# Altium PCB kunkun.PcbDoc (part 7 of 8) (continued)
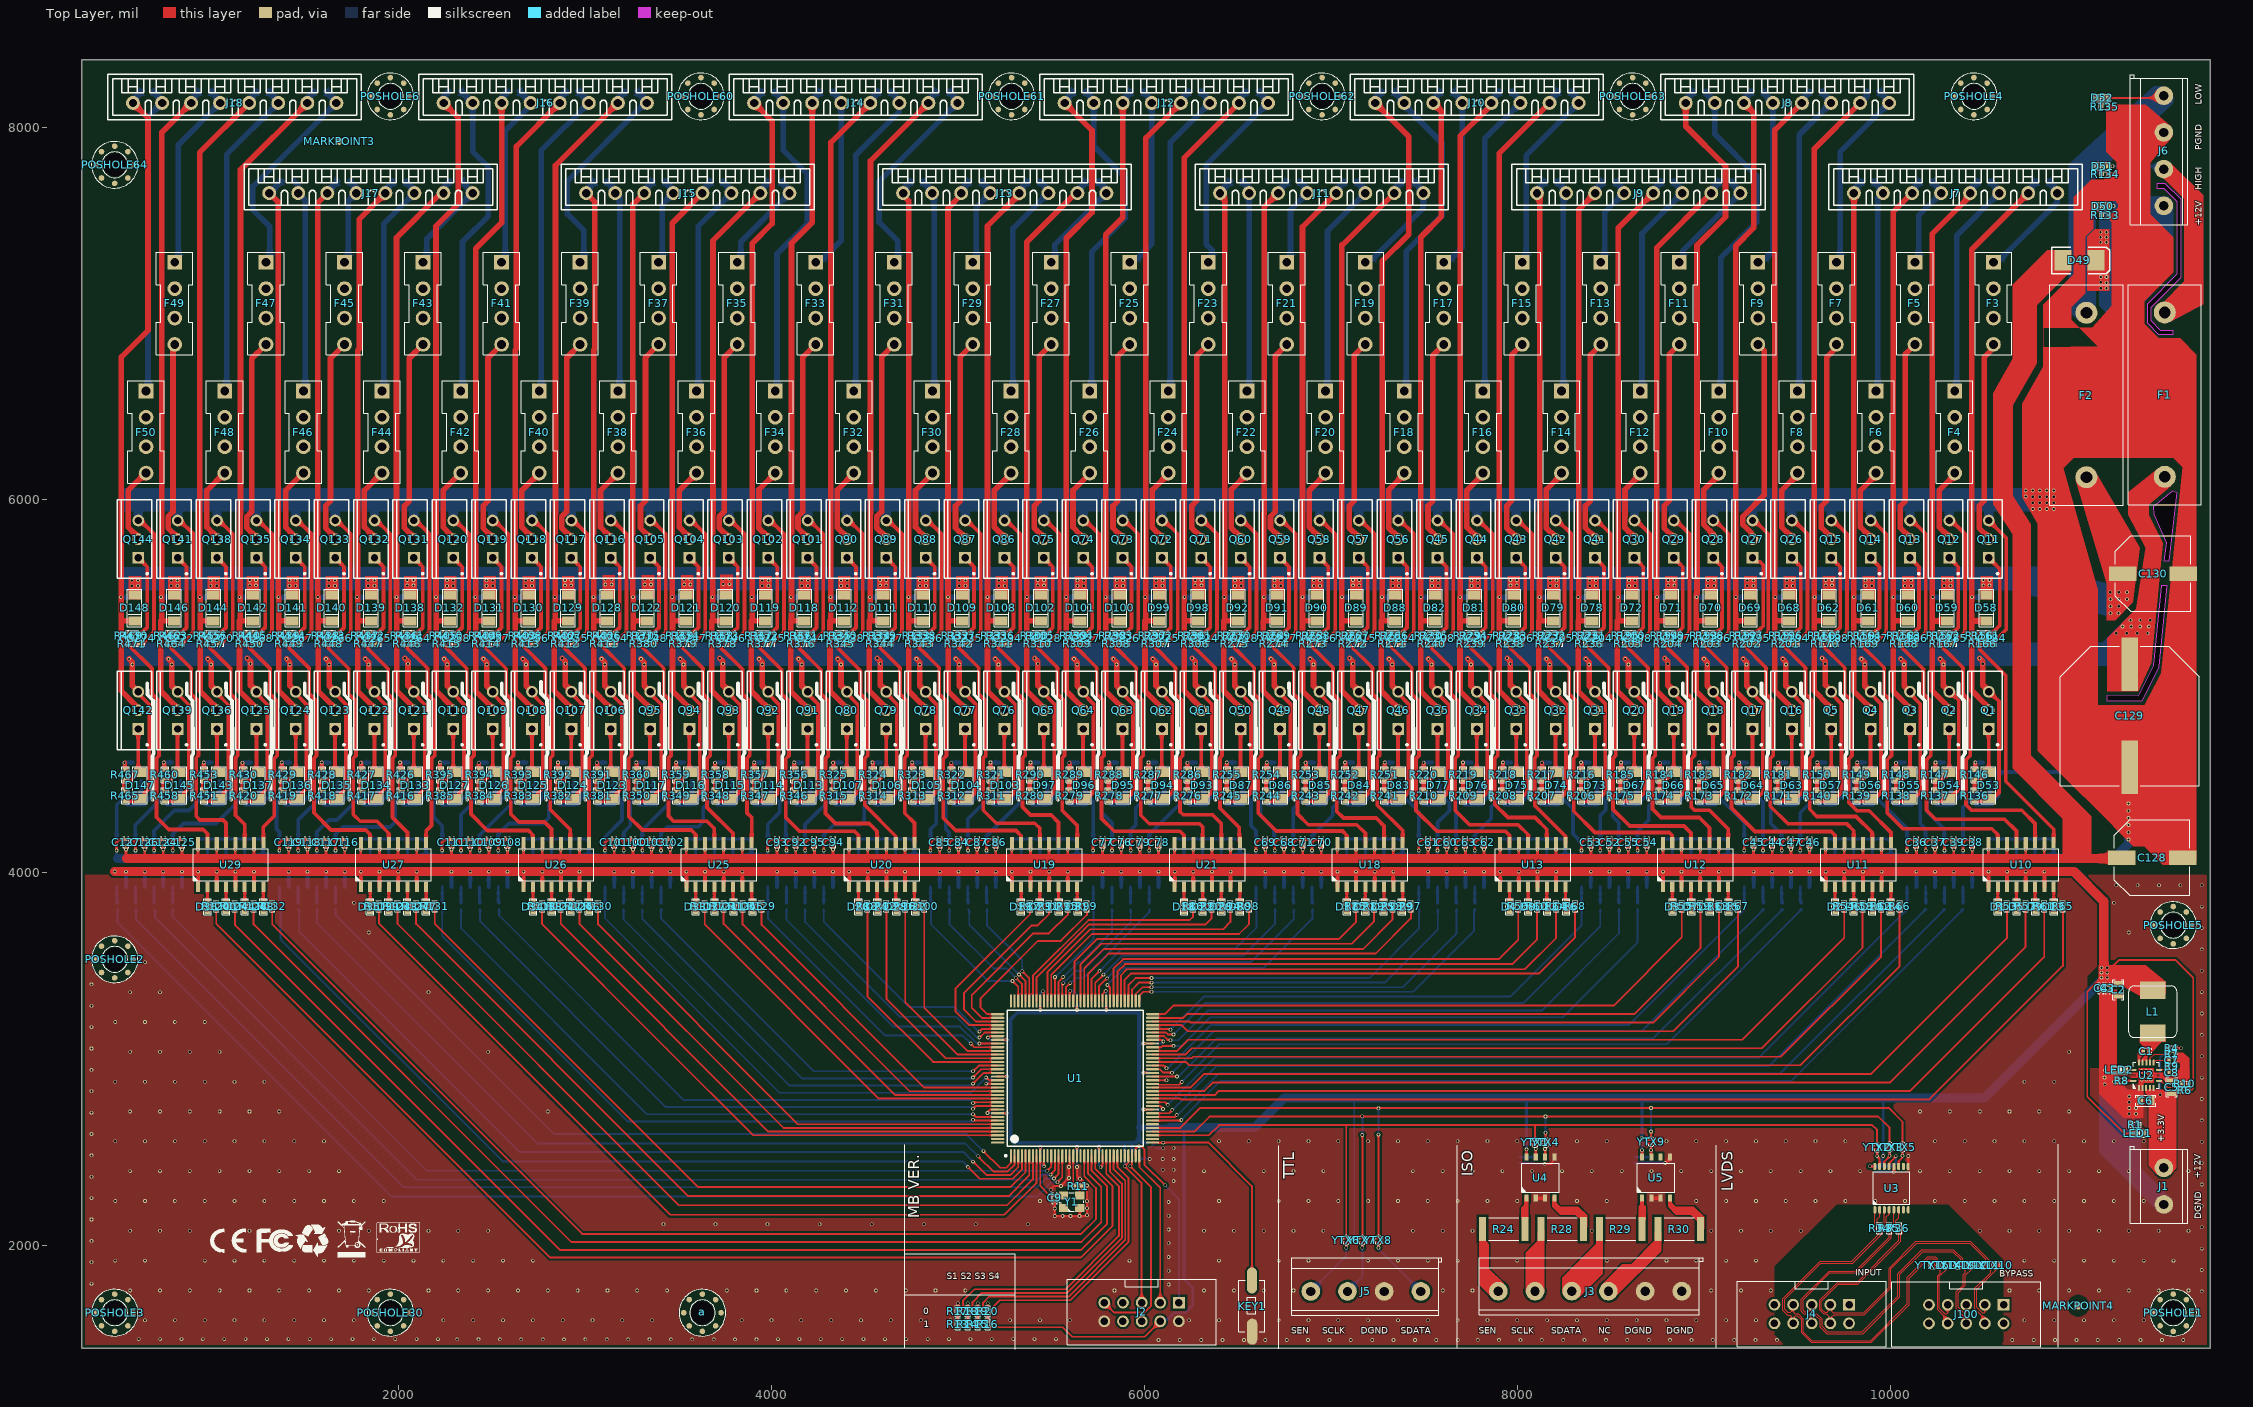
[diagram p0: Top Layer view]
## Nets (pads, with @x,y where several pads share a name; then routed paths per layer and width w, separated by ;. In a path a pad name is that pad's centre, name@x,y a point inside that pad or via, vN(x,y) a via of type N, cw(c..) or ccw(c..) an arc to the next point about the centre after c; other vN are vias at no path point) (continued)
  Bottom Layer w10: R141.2@10518.56,5250.64 R141.2@10525.7,5243.5
  other v1: 783.11,5117.76 994.28,5117.76 1416.62,5117.76 1627.79,5117.76 1838.96,5117.76 2261.3,5117.76 2472.47,5117.76 2683.64,5117.76 3105.98,5117.76 3317.15,5117.76 3528.32,5117.76 3950.66,5117.76 4161.83,5117.76 4373,5117.76 4795.34,5117.76 5006.51,5117.76 5217.68,5117.76 5640.02,5117.76 5851.19,5117.76 6062.36,5117.76 6484.7,5117.76 6695.87,5117.76 6907.04,5117.76 7329.38,5117.76 7540.55,5117.76 7751.72,5117.76 8174.06,5117.76 8385.23,5117.76 8596.4,5117.76 9018.74,5117.76 9229.91,5117.76 9441.08,5117.76 9863.42,5117.76 10074.59,5117.76 10285.76,5117.76 1205.45,5121.36 2050.13,5121.36 2894.81,5121.36 3739.49,5121.36 4584.17,5121.36 5428.85,5121.36 6273.53,5121.36 7118.21,5121.36 7962.89,5121.36 8807.57,5121.36 9652.25,5121.36 10496.94,5121.36 11212.51,5284.89 11268.7,5284.89 11324.88,5284.89 11381.07,5284.89 11246.47,5320.92 11293.54,5320.92 11340.62,5320.92 11387.69,5320.92 11288.71,5355.29 11342.14,5355.29 11395.56,5355.29
PLOW: C130.1 D58.2 D59.2 D60.2 D61.2 D62.2 D68.2 D69.2 D70.2 D71.2 D72.2 D78.2 D79.2 D80.2 D81.2 D82.2 D88.2 D89.2 D90.2 D91.2 D92.2 D98.2 D99.2 D100.2 D101.2 D102.2 D108.2 D109.2 D110.2 D111.2 D112.2 D118.2 D119.2 D120.2 D121.2 D122.2 D128.2 D129.2 D130.2 D131.2 D132.2 D138.2 D139.2 D140.2 D141.2 D142.2 D144.2 D146.2 D148.2 F2.2 | length 2.4
  Top Layer w10: D58.2@10515,5492.8 D58.2@10516.73,5491.07
  other v1: 11181.85,5392.36 11224.52,5392.36 11181.85,5429.96 11226.3,5429.96 11181.85,5467.57 11226.3,5467.57 11270.74,5467.85 11180.07,5505.18 11226.3,5505.18 11270.74,5505.18 569.13,5540.1 602.4,5540.1 780.46,5540.1 813.73,5540.1 991.79,5540.1 1025.06,5540.1 1414.45,5540.1 1447.72,5540.1 1625.78,5540.1 1659.05,5540.1 1837.12,5540.1 1870.38,5540.1 2259.78,5540.1 2293.05,5540.1 2471.11,5540.1 2504.38,5540.1 2682.44,5540.1 2715.71,5540.1 3950.43,5540.1 3983.69,5540.1 4161.76,5540.1 4195.03,5540.1 4373.09,5540.1 4406.36,5540.1 4795.75,5540.1 4829.02,5540.1 5007.08,5540.1 5040.35,5540.1 5218.41,5540.1 5251.68,5540.1 5641.07,5540.1 5674.34,5540.1 5852.4,5540.1 5885.67,5540.1 6063.74,5540.1 6097,5540.1 6486.4,5540.1 6519.67,5540.1 6697.73,5540.1 6731,5540.1 6909.06,5540.1 6942.33,5540.1 7331.72,5540.1 7364.99,5540.1 7543.05,5540.1 7576.32,5540.1 7754.38,5540.1 7787.65,5540.1 8177.05,5540.1 8210.31,5540.1 8388.38,5540.1 8421.65,5540.1 8599.71,5540.1 8632.98,5540.1 9022.37,5540.1 9055.64,5540.1 9233.7,5540.1 9266.97,5540.1 9445.03,5540.1 9478.3,5540.1 9867.69,5540.1 9900.96,5540.1 10079.02,5540.1 10112.29,5540.1 10290.36,5540.1 10323.62,5540.1 1201.39,5541.83 1234.66,5541.83 2046.71,5541.83 2079.98,5541.83 2892.04,5541.83 2925.31,5541.83 4582.69,5541.83 4615.96,5541.83 5428.01,5541.83 5461.28,5541.83 6273.33,5541.83 6306.6,5541.83 7118.66,5541.83 7151.93,5541.83 7963.98,5541.83 7997.25,5541.83 8809.31,5541.83 8842.58,5541.83 9654.63,5541.83 9687.9,5541.83 10499.95,5541.83 10533.22,5541.83 3109.13,5546.71 3142.4,5546.71 3320.46,5546.71 3353.73,5546.71 3531.79,5546.71 3565.06,5546.71 3741.39,5548.44 3774.66,5548.44 569.13,5568.5 602.4,5568.5 780.46,5568.5 813.73,5568.5 991.79,5568.5 1025.06,5568.5 1414.45,5568.5 1447.72,5568.5 1625.78,5568.5 1659.05,5568.5 1837.12,5568.5 1870.38,5568.5 2259.78,5568.5 2293.05,5568.5 2471.11,5568.5 2504.38,5568.5 2682.44,5568.5 2715.71,5568.5 3950.43,5568.5 3983.69,5568.5 4161.76,5568.5 4195.03,5568.5 4373.09,5568.5 4406.36,5568.5 4795.75,5568.5 4829.02,5568.5 5007.08,5568.5 5040.35,5568.5 5218.41,5568.5 5251.68,5568.5 5641.07,5568.5 5674.34,5568.5 5852.4,5568.5 5885.67,5568.5 6063.74,5568.5 6097,5568.5 6486.4,5568.5 6519.67,5568.5 6697.73,5568.5 6731,5568.5 6909.06,5568.5 6942.33,5568.5 7331.72,5568.5 7364.99,5568.5 7543.05,5568.5 7576.32,5568.5 7754.38,5568.5 7787.65,5568.5 8177.05,5568.5 8210.31,5568.5 8388.38,5568.5 8421.65,5568.5 8599.71,5568.5 8632.98,5568.5 9022.37,5568.5 9055.64,5568.5 9233.7,5568.5 9266.97,5568.5 9445.03,5568.5 9478.3,5568.5 9867.69,5568.5 9900.96,5568.5 10079.02,5568.5 10112.29,5568.5 10290.36,5568.5 10323.62,5568.5 1201.39,5570.23 1234.66,5570.23 2046.71,5570.23 2079.98,5570.23 2892.04,5570.23 2925.31,5570.23 4582.69,5570.23 4615.96,5570.23 5428.01,5570.23 5461.28,5570.23 6273.33,5570.23 6306.6,5570.23 7118.66,5570.23 7151.93,5570.23 7963.98,5570.23 7997.25,5570.23 8809.31,5570.23 8842.58,5570.23 9654.63,5570.23 9687.9,5570.23 10499.95,5570.23 10533.22,5570.23 3109.13,5575.11 3142.4,5575.11 3320.46,5575.11 3353.73,5575.11 3531.79,5575.11 3565.06,5575.11 3741.39,5576.85 3774.66,5576.85
RI1+: J4.7 R34.2 U3.2 YTX14.2 | length 2189.5
  Top Layer w5: U3.2@9943.27,2192.95 9943.27,2156.52 9930.61,2143.86 9930.61,2122.97 R34.2@9943.15,2110.43 9959.51,2094.07 9959.51,2066.97 9799.07,1906.53 9628.42,1906.53 9434.18,1712.29 9434.18,1659.8 9451.1,1642.88 9464.44,1642.88 9471.37,1649.81 9471.37,1675.71 J4.7@9479.47,1683.81 9479.47,1645.34 9489.23,1635.58 9505.78,1635.58 9535.18,1606.18 9535.18,1536.12 9579.73,1491.57 9895.2,1491.57 10091.86,1688.22 10091.86,1830.48 10201.29,1939.91 10229.18,1939.91 10243.07,1939.91 10252.51,1930.47 10252.51,1922.64 YTX14.2@10280.88,1894.27
RI1-: J4.8 R34.1 U3.1 YTX15.1 | length 2190.1
  Top Layer w5: U3.1@9917.68,2192.95 9917.68,2093.8 9932.54,2078.93 R34.1@9943.15,2078.93 9939.94,2075.72 9939.94,2061.54 9794.93,1916.53 9624.28,1916.53 9423.93,1716.17 9423.93,1653.37 9449.47,1627.84 9463.96,1627.84 9469.47,1622.33 9469.47,1593.81 J4.8@9479.47,1583.81 9485.5,1589.84 9485.5,1617.81 9492.99,1625.3 9501.92,1625.3 9525.18,1602.04 9525.18,1531.98 9575.59,1481.57 9899.34,1481.57 10101.86,1684.08 10101.86,1826.34 10205.43,1929.91 10238.93,1929.91 10242.17,1926.67 10242.17,1920.87 10238.07,1916.77 10227.72,1916.77 10213.25,1902.29 YTX15.1@10213.25,1894.27
RI2+: J4.6 R35.2 U3.3 YTX13.1 | length 2130.1
  Top Layer w5: J4.6@9579.47,1583.81 9572.08,1591.2 9572.08,1617.81 9554.29,1635.59 9536.79,1635.59 9522.77,1649.62 9522.77,1713.93 9672.64,1863.81 9813.17,1863.81 9995.21,2045.85 R35.2@9995.21,2078.93 9982.37,2091.78 9976.91,2097.24 9976.91,2103.85 9970.37,2110.39 9970.37,2110.6 9968.86,2112.1 U3.3@9968.86,2192.95 ; J4.6@9585.5,1589.84 9585.5,1617.81 9592.99,1625.3 9601.92,1625.3 9625.18,1602.04 9625.18,1563.2 9659.22,1529.16 9854.53,1529.16 10051.17,1725.8 10051.17,1845.91 10174.16,1968.89 10335.5,1968.89 10377.72,1926.67 10377.72,1920.87 10373.62,1916.77 10363.27,1916.77 10348.8,1902.29
RI2-: J4.5 R35.1 U3.4 YTX12.2 | length 2137.5
  Top Layer w5: J4.5@9579.47,1683.81 J4.5@9579.47,1665.55 ; U3.4@9994.45,2192.95 9994.45,2169.09 9980.37,2155.01 9980.37,2114.53 9984.47,2110.43 R35.1@9995.21,2110.43 10011.57,2094.07 10011.57,2066.97 10005.21,2060.61 10005.21,2041.71 9817.31,1853.81 9676.78,1853.81 9532.77,1709.79 9532.77,1653.76 9540.93,1645.59 9559.51,1645.59 J4.5@9579.47,1665.55 ; YTX12.2@10416.43,1894.27 10388.05,1922.64 10388.05,1930.47 10339.64,1978.89 10170.01,1978.89 10041.17,1850.05 10041.17,1729.95 9850.39,1539.16 9663.36,1539.16 9635.18,1567.35 9635.18,1606.18 9605.78,1635.58 9589.23,1635.58 9579.47,1645.34 J4.5@9579.47,1665.55
RI3+: J4.3 R36.2 U3.6 YTX10.2 | length 2069
  Top Layer w5: U3.6@10045.63,2192.95 10045.63,2149.71 10030.04,2134.12 10030.04,2116.3 10035.91,2110.43 R36.2@10047.27,2110.43 10066.26,2091.44 10066.26,2069.61 10057.27,2060.61 10057.27,2024.44 9825.11,1792.27 9720.94,1792.27 9631.69,1703.03 9631.69,1660.6 9647.94,1644.35 9661.66,1644.35 9668.37,1651.06 9668.37,1672.71 J4.3@9679.47,1683.81 9685.87,1677.4 9685.87,1649.81 9695.31,1640.38 9857.86,1640.38 9994.08,1776.6 9994.08,1880.01 10137.48,2023.41 10430.66,2023.41 10478.11,1975.96 10523.57,1930.5 10535.66,1918.41 10535.66,1910.58 YTX10.2@10551.97,1894.27
RI3-: J4.4 R36.1 U3.5 YTX11.1 | length 2055.2
  Top Layer w5: U3.5@10020.04,2192.95 10020.04,2106.16 R36.1@10047.27,2078.93 10047.27,2028.58 9820.96,1802.27 9716.8,1802.27 9621.69,1707.17 9621.69,1656.46 9643.8,1634.35 9657.37,1634.35 9673.92,1617.81 9673.92,1589.36 J4.4@9679.47,1583.81 9687.92,1592.26 9687.92,1617.81 9700.5,1630.38 9862,1630.38 10004.08,1772.46 10004.08,1875.87 10141.62,2013.41 10426.52,2013.41 10513.26,1926.67 10513.26,1920.87 10509.16,1916.77 10498.82,1916.77 10484.34,1902.29
RST_n: C22.2 KEY1.2 R12.1 U1.37 | length 1221.1
  Top Layer w10: U1.37@6043.84,2553.07 v1(6100.84,2553.07) 6344.13,2553.07 6577.02,2320.18 KEY1.2@6577.02,1814.11
  Bottom Layer w6: C22.2@6028.02,2522.71 6029.23,2522.71 R12.1@6059.59,2553.07
  Bottom Layer w10: R12.1@6059.59,2553.07 v1(6100.84,2553.07)
SDATA: U1.41 YTX5.1 YTX8.2 YTX9.1 | length 5088.1
  Top Layer w10: U1.41@6043.84,2631.81 6193.13,2631.81 6300.13,2738.81 9991.65,2738.81 10066.17,2664.29 10066.17,2540.17 ; 7255.27,2039.99 YTX8.2@7255.27,2044.91 v1(7255.27,2595.78) ; 8717.35,2568.77 YTX9.1@8717.35,2572.94 v1(8717.35,2612.46)
  Bottom Layer w10: v1(7255.27,2595.78) v1(7255.27,2736.48) ; v1(8717.35,2612.46) v1(8717.35,2738.7)
SEN: U1.39 YTX1.1 YTX2.1 YTX6.2 | length 4691.1
  Top Layer w10: U1.39@6043.84,2592.44 6345.8,2592.44 6400.65,2647.29 7082.77,2647.29 ; 7082.72,2040.74 YTX6.2@7082.72,2044.91 7082.72,2647.23 7082.77,2647.29 ; 8095.29,2564.67 YTX1.1@8095.29,2568.85 8095.29,2647.22 8095.36,2647.29 ; 9929.93,2539.12 YTX2.1@9929.93,2543.29 9929.93,2621.47 9904.11,2647.29 8095.36,2647.29 ; 7082.77,2647.29 8095.36,2647.29
SW1: R13.1 R17.2 U1.27 | length 1567.4
  Top Layer w10: R13.1@4999.38,1593.89 R17.2@4999.38,1632.82 5011.71,1632.82 5026.27,1647.38 5026.27,1704.17 5088.77,1766.68 5577.2,1766.68 5863.2,2052.67 5863.2,2317.82 5795.81,2385.21 U1.27@5795.81,2482.2
SW2: R14.1 R18.2 U1.28 | length 1531.2
  Top Layer w10: R14.1@5052.92,1593.89 R18.2@5052.92,1632.82 5063.88,1632.82 5078.65,1647.59 5078.65,1697.55 5128.09,1746.99 5585.35,1746.99 5879.12,2040.76 5879.12,2333.61 5815.5,2397.23 U1.28@5815.5,2482.2
SW3: R15.1 R19.2 U1.29 | length 1497.6
  Top Layer w10: R15.1@5106.47,1593.89 R19.2@5106.47,1632.82 5116.61,1632.82 5134.52,1650.74 5134.52,1695.2 5166.62,1727.31 5593.51,1727.31 5897.26,2031.06 5897.26,2348.21 5835.18,2410.28 U1.29@5835.18,2482.2
SW4: R16.1 R20.2 U1.30 | length 1452.4
  Top Layer w10: R16.1@5160.01,1593.89 R20.2@5160.01,1632.82 5170.73,1632.82 5190.23,1652.32 5190.23,1673.62 5224.23,1707.62 5601.66,1707.62 5913.88,2019.84 5913.88,2363.61 5854.87,2422.63 U1.30@5854.87,2482.2
TCK: J2.1 R5.2 U1.35 | length 1034.1
  Top Layer w10: U1.35@5953.29,2482.2 5953.29,2521.5 5964.12,2532.32 5969.61,2532.32 v1(5971.46,2534.17) 5973.31,2532.32 5984.16,2532.32 6000.26,2516.21 6000.26,2435.33 v1(6111.56,2324.03)
  Bottom Layer w10: v1(5971.46,2534.17) 5972.98,2532.65 R5.2@5972.98,2497.95 ; v1(6111.56,2324.03) 6185.24,2250.36 J2.1@6185.24,1694.55
TDI: J2.9 R3.1 U1.34 | length 1186
  Top Layer w10: J2.9@5785.24,1694.55 5838.82,1640.96 5999.89,1640.96 6035.37,1676.44 6035.37,2315.77 v1(5924.65,2426.49) 5933.61,2435.44 U1.34@5933.61,2482.2
  Bottom Layer w10: v1(5924.65,2426.49) 5933.61,2435.44 R3.1@5933.61,2466.46
TDO: J2.3 U1.36 | length 834.2
  Top Layer w10: U1.36@5972.98,2482.2 5972.98,2422.19 6085.24,2309.93 J2.3@6085.24,1694.55
TMS: J2.5 R2.1 U1.33 | length 873.5
  Top Layer w10: U1.33@5913.92,2482.2 5913.92,2446.17 v1(5894.24,2426.49) 5985.24,2335.49 J2.5@5985.24,1694.55
  Bottom Layer w10: v1(5894.24,2426.49) R2.1@5894.24,2466.46
VCC3.3: C2.2 C3.2 C4.2 C9.2 C10.2 C11.2 C12.2 C13.2 C14.2 C15.2 C16.2 C17.2 C18.2 C19.2 C20.2 C21.2 C23.2 C24.2 C25.2 C26.2 C27.2 C28.2 C29.2 C30.2 C31.2 J2.4 L1.2 LED1.2 R2.2 R3.2 R6.2 R12.2 R13.2 R14.2 R15.2 R16.2 R21.2 R22.2 R23.2 R25.2 R26.2 R27.2 R31.2 R32.2 R33.2 U1.9 U1.19 U1.25 U1.46 U1.56 U1.64 U1.82 U1.90 U1.100 U1.116 U1.126 U1.136 U3.13 U3.16 U4.8 U5.8 U6.1 U6.3 U6.5 U6.7 U7.1 U7.3 U7.5 U7.7 U8.1 U8.3 U8.5 U8.7 U9.1 U9.3 U9.5 U9.7 U10.1 U10.3 U10.5 U10.7 U11.1 U11.3 U11.5 U11.7 U12.1 U12.3 U12.5 U12.7 U13.1 U13.3 U13.5 U13.7 U14.1 U14.3 U14.5 U14.7 U15.1 U15.3 U15.5 U15.7 U16.1 U16.3 U16.5 U16.7 U17.1 U17.3 U17.5 U17.7 U18.1 U18.3 U18.5 U18.7 U19.1 U19.3 U19.5 U19.7 U20.1 U20.3 U20.5 U20.7 U21.1 U21.3 U21.5 U21.7 U22.1 U22.3 U22.5 U22.7 U23.1 U23.3 U23.5 U23.7 U24.1 U24.3 U24.5 U24.7 U25.1 U25.3 U25.5 U25.7 U26.1 U26.3 U26.5 U26.7 U27.1 U27.3 U27.5 U27.7 U28.1 U28.3 U28.5 U28.7 U29.1 U29.3 U29.5 U29.7 Y1.4 | length 47387.2
  Top Layer w10: R13.2@4999.38,1562.4 R14.2@5052.92,1562.4 R15.2@5106.47,1562.4 R16.2@5160.01,1562.4 5561.27,1562.4 5612.13,1511.54 6002.23,1511.54 J2.4@6085.24,1594.55 ; U1.136@5213.14,2710.55 v1(5262.1,2710.55) ; U1.126@5213.14,2907.4 v1(5262.1,2907.4) ; U1.116@5213.14,3104.25 v1(5262.1,3104.25) ; v1(5441.48,2531.17) U1.9@5441.48,2482.2 5441.48,2320.44 5493.43,2268.49 C9.2@5519.4,2268.49 ; v1(5441.48,3263.95) U1.100@5441.48,3312.91 ; C9.2@5519.4,2271.72 5563.05,2271.72 Y1.4@5566.29,2268.49 ; U1.19@5638.33,2482.2 v1(5638.33,2531.17) ; v1(5638.33,3263.95) U1.90@5638.33,3312.91 ; U1.25@5756.44,2482.2 v1(5756.44,2531.17) ; v1(5795.81,3263.95) U1.82@5795.81,3312.91 ; v1(5994.88,2730.23) U1.46@6043.84,2730.23 ; v1(5994.88,2927.09) U1.56@6043.84,2927.09 ; v1(5994.88,3084.57) U1.64@6043.84,3084.57 ; U4.8@8049.16,2475.22 v1(8049.16,2516.91) ; U5.8@8668.76,2475.22 8669.3,2475.77 v1(8669.3,2512.57) ; v1(9890.05,2426.49) 9891.3,2425.23 U3.16@9917.68,2425.23 ; U3.13@9994.45,2425.23 9994.45,2442.48 10029.9,2477.93 v1(10029.9,2480.53) ; LED1.2@11301.51,2602.43 11254.99,2602.43 11057.15,2800.27 11057.15,3361.28 11145.85,3449.98 11229.33,3533.46 11529.36,3533.46 11625.5,3437.32 11625.5,2845.7 11614.81,2835.02 R6.2@11594.75,2835.02
  Top Layer w20: U29.1@924.62,3924.62 v1(924.62,4006.43) ; U29.3@1024.62,3924.62 v1(1024.62,4006.43) ; U29.5@1124.62,3924.62 v1(1124.62,4006.43) ; v1@1224.03,4007.03 v1(1224.62,4006.43) U29.7@1224.62,3924.62 ; U27.1@1797.59,3924.62 v1(1797.59,4006.43) ; U27.3@1897.59,3924.62 v1(1897.59,4006.43) ; U27.5@1997.59,3924.62 v1(1997.59,4006.43) ; v1@2096.99,4007.03 v1(2097.59,4006.43) U27.7@2097.59,3924.62 ; U26.1@2670.55,3924.62 v1(2670.55,4006.43) ; U26.3@2770.55,3924.62 v1(2770.55,4006.43) ; U26.5@2870.55,3924.62 v1(2870.55,4006.43) ; v1@2969.95,4007.03 v1(2970.55,4006.43) U26.7@2970.55,3924.62 ; U25.1@3543.51,3924.62 v1(3543.51,4006.43) ; U25.3@3643.51,3924.62 v1(3643.51,4006.43) ; U25.5@3743.51,3924.62 v1(3743.51,4006.43) ; v1@3842.92,4007.03 v1(3843.51,4006.43) U25.7@3843.51,3924.62 ; U20.1@4416.48,3924.62 v1(4416.48,4006.43) ; U20.3@4516.48,3924.62 v1(4516.48,4006.43) ; U20.5@4616.48,3924.62 v1(4616.48,4006.43) ; v1@4715.88,4007.03 v1(4716.48,4006.43) U20.7@4716.48,3924.62 ; U19.1@5289.44,3924.62 v1(5289.44,4006.43) ; U19.3@5389.44,3924.62 v1(5389.44,4006.43) ; U19.5@5489.44,3924.62 v1(5489.44,4006.43) ; v1@5588.84,4007.03 v1(5589.44,4006.43) U19.7@5589.44,3924.62 ; U21.1@6162.4,3924.62 v1(6162.4,4006.43) ; U21.3@6262.4,3924.62 v1(6262.4,4006.43) ; U21.5@6362.4,3924.62 v1(6362.4,4006.43) ; v1@6461.81,4007.03 v1(6462.4,4006.43) U21.7@6462.4,3924.62 ; U18.1@7035.37,3924.62 v1(7035.37,4006.43) ; U18.3@7135.37,3924.62 v1(7135.37,4006.43) ; U18.5@7235.37,3924.62 v1(7235.37,4006.43) ; v1@7334.77,4007.03 v1(7335.37,4006.43) U18.7@7335.37,3924.62 ; U13.1@7908.33,3924.62 v1(7908.33,4006.43) ; U13.3@8008.33,3924.62 v1(8008.33,4006.43) ; U13.5@8108.33,3924.62 v1(8108.33,4006.43) ; v1@8207.73,4007.03 v1(8208.33,4006.43) U13.7@8208.33,3924.62 ; U12.1@8781.29,3924.62 v1(8781.29,4006.43) ; U12.3@8881.29,3924.62 v1(8881.29,4006.43) ; U12.5@8981.29,3924.62 v1(8981.29,4006.43) ; v1@9080.7,4007.03 v1(9081.29,4006.43) U12.7@9081.29,3924.62 ; U11.1@9654.26,3924.62 v1(9654.26,4006.43) ; U11.3@9754.26,3924.62 v1(9754.26,4006.43) ; U11.5@9854.26,3924.62 v1(9854.26,4006.43) ; v1@9953.66,4007.03 v1(9954.26,4006.43) U11.7@9954.26,3924.62 ; U10.1@10527.22,3924.62 v1(10527.22,4006.43) ; U10.3@10627.22,3924.62 v1(10627.22,4006.43) ; U10.5@10727.22,3924.62 v1(10727.22,4006.43) ; v1@10826.62,4007.03 v1(10827.22,4006.43) U10.7@10827.22,3924.62
  Top Layer w50: v1(476.99,4007.03) 2096.99,4007.03 2969.95,4007.03 3842.92,4007.03 4715.88,4007.03 5588.84,4007.03 6461.81,4007.03 8207.73,4007.03 9080.7,4007.03 9953.66,4007.03 10826.62,4007.03 10985.66,4007.03 11145.85,3846.84 11145.85,3449.98 11145.85,3418.23
  Bottom Layer w10: R31.2@7082.72,2045.66 7125.85,2045.66 ; 7113.95,2792.05 7125.85,2780.15 7125.85,2045.66 ; R33.2@7255.27,2045.66 R32.2@7168.99,2045.66 7125.85,2045.66 ; C23.2@8011.12,2475.22 C24.2@8048.42,2475.22 ; 8038.19,2792.05 8049.16,2781.08 ; C24.2@8049.16,2475.96 C24.2@8048.42,2475.22 ; 8049.16,2572.2 8051.76,2569.59 R21.2@8095.29,2569.59 R22.2@8151.79,2569.59 ; C25.2@8085.73,2475.22 C24.2@8048.42,2475.22 ; C26.2@8632,2475.22 C27.2@8669.3,2475.22 C28.2@8706.6,2475.22 ; v1(8669.36,2578.22) R23.2@8717.35,2578.22 ; R25.2@9929.93,2544.04 9962.69,2544.04 9997.02,2544.04 10065.12,2544.04 R27.2@10066.17,2545.09 ; C31.2@9957.26,2426.49 C31.2@9962.69,2431.93
  Bottom Layer w15: C18.2@5228.88,2710.55 v1(5262.1,2710.55) 5279.62,2710.55 5281.8,2708.36 ; C20.2@5228.88,3104.25 v1(5262.1,3104.25) 5279.6,3104.25 5281.8,3102.05 ; C19.2@5229.1,2907.62 5262.1,2907.62 5279.23,2907.62 5281.8,2910.19 ; 5440.47,2552.37 5441.48,2551.36 v1(5441.48,2531.17) C12.2@5441.48,2497.95 ; C21.2@5441.48,3297.16 v1(5441.48,3263.95) 5441.48,3257.75 5448.4,3250.83 ; C13.2@5638.33,2497.95 v1(5638.33,2531.17) 5638.33,2551.08 5639.62,2552.37 ; C15.2@5638.33,3297.16 v1(5638.33,3263.95) 5638.33,3253.14 5640.64,3250.83 ; 5756.27,2552.37 5756.44,2552.19 v1(5756.44,2531.17) C10.2@5756.44,2497.95 ; C14.2@5795.81,3297.16 v1(5795.81,3263.95) 5795.81,3251.28 5796.26,3250.83 ; R2.2@5894.24,2497.95 5894.24,2547.6 5899.01,2552.37 ; 5932.72,2552.37 5933.61,2551.48 R3.2@5933.61,2497.95 ; 5970.75,2568.77 5986.45,2553.07 R12.2@6028.1,2553.07 ; 5970.75,2731.57 5994.88,2731.57 6026.76,2731.57 C11.2@6028.1,2730.23 ; 5970.75,2930.94 5974.61,2927.09 v1(5994.88,2927.09) C16.2@6028.1,2927.09 ; 5970.75,3085.35 5971.54,3084.57 v1(5994.88,3084.57) C17.2@6028.1,3084.57 ; J2.4@6085.24,1594.55 6094.42,1603.73 6122.54,1603.73 6158.93,1640.13 6217.37,1640.13 6259.19,1681.95 6259.19,1773.38 6212.03,1820.54 6212.03,2633.87 ; C24.2@8049.16,2475.96 v1(8049.16,2516.91) 8049.16,2572.2 8049.16,2781.08 ; 8667.37,2792.05 8669.3,2790.12 8669.3,2578.22 v1(8669.3,2512.57) C27.2@8669.3,2475.22 ; v1(9890.05,2426.49) C30.2@9918.23,2426.49 C31.2@9957.26,2426.49 ; 9960.9,2792.05 9962.69,2790.25 9962.69,2544.04 v1(9962.69,2481.22) 9957.26,2475.78 C31.2@9957.26,2426.49 ; v1(10029.9,2480.53) 10029.9,2444.34 10011.6,2426.04 C29.2@9993.21,2426.04 9992.75,2426.49 C31.2@9957.26,2426.49
  Bottom Layer w20: U28.7@538.14,3924.62 v1(538.14,4006.43) ; U28.5@638.14,3924.62 v1(638.14,4006.43) ; U28.3@738.14,3924.62 v1(738.14,4006.43) ; U28.1@838.14,3924.62 v1(838.14,4006.43) ; U24.7@1411.11,3924.62 v1(1411.11,4006.43) ; U24.5@1511.11,3924.62 v1(1511.11,4006.43) ; U24.3@1611.11,3924.62 v1(1611.11,4006.43) ; U24.1@1711.11,3924.62 v1(1711.11,4006.43) ; U23.7@2284.07,3924.62 v1(2284.07,4006.43) ; U23.5@2384.07,3924.62 v1(2384.07,4006.43) ; U23.3@2484.07,3924.62 v1(2484.07,4006.43) ; U23.1@2584.07,3924.62 v1(2584.07,4006.43) ; U22.7@3157.03,3924.62 v1(3157.03,4006.43) ; U22.5@3257.03,3924.62 v1(3257.03,4006.43) ; U22.3@3357.03,3924.62 v1(3357.03,4006.43) ; U22.1@3457.03,3924.62 v1(3457.03,4006.43) ; U17.7@4030,3924.62 v1(4030,4006.43) ; U17.5@4130,3924.62 v1(4130,4006.43) ; U17.3@4230,3924.62 v1(4230,4006.43) ; U17.1@4330,3924.62 v1(4330,4006.43) ; U16.7@4902.96,3924.62 v1(4902.96,4006.43) ; U16.5@5002.96,3924.62 v1(5002.96,4006.43) ; U16.3@5102.96,3924.62 v1(5102.96,4006.43) ; U16.1@5202.96,3924.62 v1(5202.96,4006.43) ; U15.7@5775.92,3924.62 v1(5775.92,4006.43) ; U15.5@5875.92,3924.62 v1(5875.92,4006.43) ; U15.3@5975.92,3924.62 v1(5975.92,4006.43) ; U15.1@6075.92,3924.62 v1(6075.92,4006.43) ; U14.7@6648.89,3924.62 v1(6648.89,4006.43) ; U14.5@6748.89,3924.62 v1(6748.89,4006.43) ; U14.3@6848.89,3924.62 v1(6848.89,4006.43) ; U14.1@6948.89,3924.62 v1(6948.89,4006.43) ; U9.7@7521.85,3924.62 v1(7521.85,4006.43) ; U9.5@7621.85,3924.62 v1(7621.85,4006.43) ; U9.3@7721.85,3924.62 v1(7721.85,4006.43) ; U9.1@7821.85,3924.62 v1(7821.85,4006.43) ; U8.7@8394.81,3924.62 v1(8394.81,4006.43) ; U8.5@8494.81,3924.62 v1(8494.81,4006.43) ; U8.3@8594.81,3924.62 v1(8594.81,4006.43) ; U8.1@8694.81,3924.62 v1(8694.81,4006.43) ; U7.7@9267.78,3924.62 v1(9267.78,4006.43) ; U7.5@9367.78,3924.62 v1(9367.78,4006.43) ; U7.3@9467.78,3924.62 v1(9467.78,4006.43) ; U7.1@9567.78,3924.62 v1(9567.78,4006.43) ; U6.7@10140.74,3924.62 v1(10140.74,4006.43) ; U6.5@10240.74,3924.62 v1(10240.74,4006.43) ; U6.3@10340.74,3924.62 v1(10340.74,4006.43) ; U6.1@10440.74,3924.62 v1(10440.74,4006.43) ; 5281.8,2568.77 5281.8,2708.36 5281.8,2910.19 5281.8,3102.05 5281.8,3213.82 5317.92,3249.93 5447.5,3249.93 5448.4,3250.83 5640.64,3250.83 5796.26,3250.83 5970.75,3250.83 5970.75,3085.35 5970.75,2930.94 5970.75,2731.57 5970.75,2633.87 5970.75,2568.77 5954.35,2552.37 5932.72,2552.37 5899.01,2552.37 5756.27,2552.37 5639.62,2552.37 5440.47,2552.37 5298.21,2552.37 5281.8,2568.77
  Bottom Layer w30: 5970.75,2633.87 6136.93,2633.87
  Bottom Layer w50: v1(476.99,4007.03) 1997.59,4007.03 2484.07,4007.03 3643.51,4007.03 4130,4007.03 6262.4,4007.03 7821.85,4007.03 8781.29,4007.03 9081.29,4007.03 9954.26,4007.03 10340.74,4007.03 10985.66,4007.03 11145.85,3846.84 11145.85,3491.47 11145.85,3464.81 11145.85,3433.44 10504.46,2792.05 9960.9,2792.05 8667.37,2792.05 8038.19,2792.05 7113.95,2792.05 6749.56,2792.05 6591.38,2633.87 6212.03,2633.87 6136.93,2633.87
  other v1: 11133.61,3438.14 11164.07,3438.14 11133.61,3464.81 11164.07,3464.81 11133.61,3491.47 11164.07,3491.47
VCC12: C5.2 C6.2 J1.2 R4.2 U2.4 U2.5 U2.6 | length 367.9
  Top Layer w10: R4.2@11526.58,3059.26 v1(11561.28,3059.26)
  Bottom Layer w10: v1(11448.19,2809.9) 11448.19,3009.42 11498.03,3059.26 v1(11561.28,3059.26)
XTAL: R11.2 U1.18 | length 166.8
  Top Layer w10: U1.18@5618.65,2482.2 5618.49,2482.05 5618.49,2330.74 R11.2@5629.32,2319.91
pads on no net: a.@3529.46,1640.57 a.@3558.75,1569.86 a.@3558.75,1711.28 a.@3629.46,1540.57 a.@3629.46,1740.57 a.@3700.17,1569.86 a.@3700.17,1711.28 a.@3729.46,1640.57 F3.NC1 F3.NC2 F4.NC1 F4.NC2 F5.NC1 F5.NC2 F6.NC1 F6.NC2 F7.NC1 F7.NC2 F8.NC1 F8.NC2 F9.NC1 F9.NC2 F10.NC1 F10.NC2 F11.NC1 F11.NC2 F12.NC1 F12.NC2 F13.NC1 F13.NC2 F14.NC1 F14.NC2 F15.NC1 F15.NC2 F16.NC1 F16.NC2 F17.NC1 F17.NC2 F18.NC1 F18.NC2 F19.NC1 F19.NC2 F20.NC1 F20.NC2 F21.NC1 F21.NC2 F22.NC1 F22.NC2 F23.NC1 F23.NC2 F24.NC1 F24.NC2 F25.NC1 F25.NC2 F26.NC1 F26.NC2 F27.NC1 F27.NC2 F28.NC1 F28.NC2 F29.NC1 F29.NC2 F30.NC1 F30.NC2 F31.NC1 F31.NC2 F32.NC1 F32.NC2 F33.NC1 F33.NC2 F34.NC1 F34.NC2 F35.NC1 F35.NC2 F36.NC1 F36.NC2 F37.NC1 F37.NC2 F38.NC1 F38.NC2 F39.NC1 F39.NC2 F40.NC1 F40.NC2 F41.NC1 F41.NC2 F42.NC1 F42.NC2 F43.NC1 F43.NC2 F44.NC1 F44.NC2 F45.NC1 F45.NC2 F46.NC1 F46.NC2 F47.NC1 F47.NC2 F48.NC1 F48.NC2 F49.NC1 F49.NC2 F50.NC1 F50.NC2 J2.6 J2.7 J2.8 J4.1 J4.2 J4.9 J4.10 J100.1 J100.2 J100.9 J100.10 MARKPOINT1. MARKPOINT2. MARKPOINT3. MARKPOINT4. POSHOLE1. POSHOLE2. POSHOLE3. POSHOLE4. POSHOLE5. POSHOLE6. POSHOLE30.@1856.19,1640.57 POSHOLE30.@1885.48,1569.86 POSHOLE30.@1885.48,1711.28 POSHOLE30.@1956.19,1540.57 POSHOLE30.@1956.19,1740.57 POSHOLE30.@2026.9,1569.86 POSHOLE30.@2026.9,1711.28 POSHOLE30.@2056.19,1640.57 POSHOLE60. POSHOLE61. POSHOLE62. POSHOLE63. POSHOLE64. U1.11 U1.16 U1.20 U1.31 U1.32 U1.38 U1.42 U1.107 U1.108 U1.143 U1.144 U3.7 U3.8 U3.10 U5.6 Y1.1

## Polygon pours and split planes (outlines as drawn)
DGND on Bottom Layer "DGND_L02_P002" (solid, remove dead copper, pour order 2): 300,1450 300,3989.71 301.49,3989.59 11717.32,3989.83 11717.32,1450
DGND on Top Layer "DGND_L01_P004" (solid, remove dead copper, pour order 4): 300,1450 300,3989.71 301.49,3989.59 11717.32,3989.83 11717.32,1450